# EAGLE board AU_MacroPad with Encoder - 8 Panel (EAGLE 9.6.2), part 3 of 5 (continued)
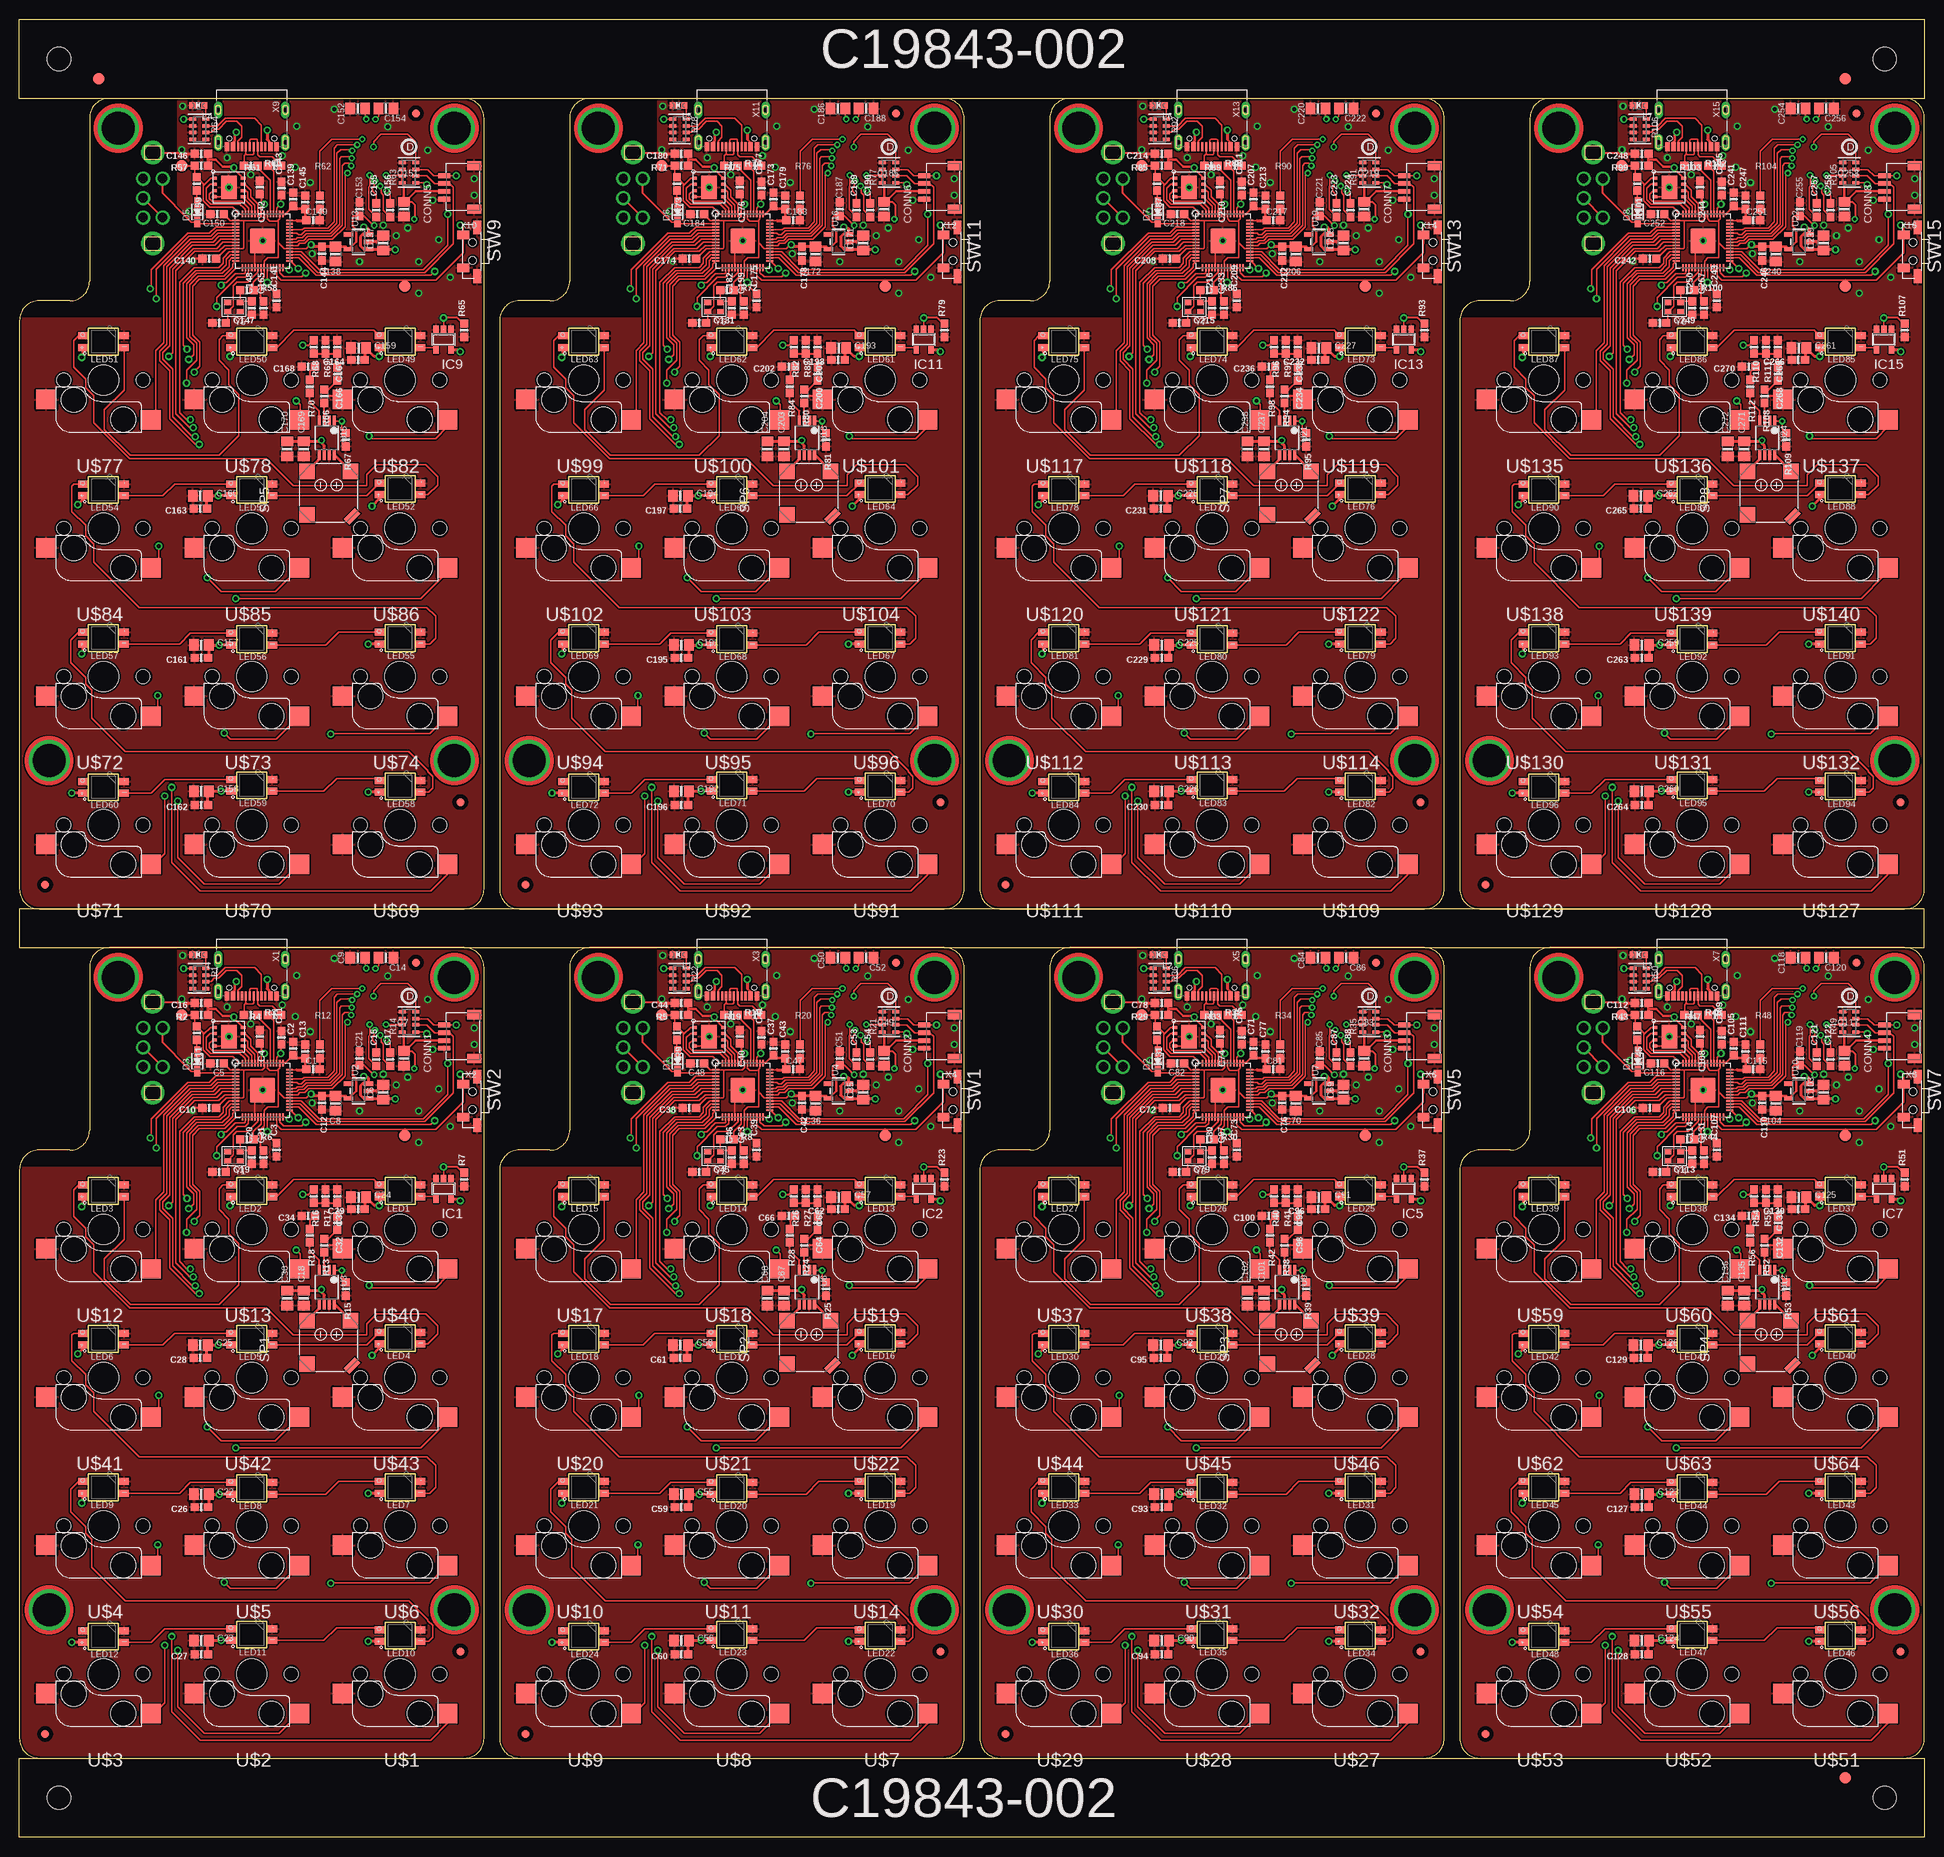
[diagram p0: board, top side]
## Tracks (layer width: path | path; a pad name or v marks a point on that pad's centre or on a via) (continued)
  Bottom 0.203: v201.86,89.86 202.13,90.13 206.16,86.11 217.96,86.11 219.61,84.45 219.61,80.31 224.83,75.09 224.83,72.35 226.26,70.91 v229.99,70.91
GP40  (via drill 0.5)
  Top 0.203: IC8.4 212.84,97.39 210.41,97.39 209.62,96.61 206.85,96.61 202.62,92.38 v202.62,88.59 | v220.63,75.44 221.14,74.93 221.14,72.39 221,72.52 U$60.1
  Bottom 0.203: v202.62,88.59 209.96,81.25 209.96,80.78 211.99,78.75 211.99,77.6 214.15,75.44 v220.63,75.44
GP41
  Top 0.203: IC8.5 210.56,97.01 209.78,96.23 207.01,96.23 203.61,92.83 203.61,82.93 202.59,81.91 202.59,73.67 U$59.1
GP42  (via drill 0.5)
  Top 0.203: IC8.6 210.7,96.61 209.94,95.85 207.17,95.85 203.99,92.67 203.99,82.71 203.1,81.82 203.1,80.61 204.37,79.34 204.37,73.13 207.65,69.85 v208.16,69.85 | v212.88,50.04 236.63,50.04 239.55,52.96 239.55,53.72 239.81,53.97 U$64.1
  Bottom 0.203: v208.16,69.85 208.16,54.89 212.88,50.17 v212.88,50.04
GP43  (via drill 0.5)
  Top 0.203: IC8.7 210.96,96.21 210.18,95.43 207.29,95.43 204.37,92.52 204.37,82.55 203.48,81.66 203.48,80.77 204.75,79.5 204.75,73.41 207.29,70.87 v207.68,70.87 | v209.2,52.7 210.98,50.93 217.96,50.93 U$63.1
  Bottom 0.203: v207.68,70.87 207.43,70.62 207.43,54.47 v209.2,52.7
GP44  (via drill 0.5)
  Top 0.203: IC8.8 211.21,95.81 210.43,95.03 207.43,95.03 204.75,92.36 204.75,81.66 v204.25,81.15 | v202.98,56.77 202.98,55 U$62.1
  Bottom 0.203: v202.98,56.77 204.37,58.17 204.37,81.03 v204.25,81.15
GP45  (via drill 0.5)
  Top 0.203: IC8.9 211.46,95.41 210.7,94.65 207.58,94.65 205.13,92.2 205.13,73.8 206.93,72.01 v207.42,72.01 | v225.07,32.64 225.09,32.66 237.79,32.66 U$56.1
  Bottom 0.203: v207.42,72.01 206.91,71.5 206.91,38.35 212.63,32.64 v225.07,32.64
GP46  (via drill 0.5)
  Top 0.203: U$51.1 240.05,14.6 237.9,12.45 208.31,12.45 204.63,16.13 v204.63,25.78 | v206.82,80.77 207.45,81.41 207.45,82.68 206.56,83.57 206.56,90.52 207.87,91.82 211.1,91.82 211.99,92.71 211.99,93.48 212.33,93.81 IC8.13
  Bottom 0.203: v204.63,25.78 205.26,26.42 205.26,79.28 206.76,80.77 v206.82,80.77
GP47  (via drill 0.5)
  Top 0.203: IC8.14 212.48,93.03 212.48,92.63 211.29,91.44 208.03,91.44 206.94,90.36 206.94,83.72 207.83,82.83 207.83,80.67 206.53,79.38 v206.53,77.72 | v205.39,24 205.39,16.76 208.82,13.34 218.46,13.34 U$52.1
  Bottom 0.203: v206.53,77.72 206.02,77.22 206.02,24.64 v205.39,24
GP48  (via drill 0.5)
  Top 0.203: IC8.15 212.95,92.56 211.45,91.06 208.18,91.06 207.32,90.2 207.32,83.88 208.21,82.99 208.21,79.91 207.49,79.19 v207.55,79.12 | v203.74,24.64 203.74,17.27 201.83,15.37 201.83,15.75 U$53.1
  Bottom 0.203: v207.55,79.12 206.66,79.12 205.64,78.1 205.64,25.4 204.88,24.64 v203.74,24.64
GP49  (via drill 0.5)
  Top 0.203: IC10.12 27.12,203.35 26.54,202.78 26.54,202.1 25.78,201.34 22.64,201.34 21.02,199.72 21.02,191.75 v21.53,191.25 | v17.78,146.73 17.78,144.96 U$72.1
  Bottom 0.203: v21.53,191.25 21.53,190.87 19.75,189.09 19.75,148.7 v17.78,146.73
GP50  (via drill 0.5)
  Top 0.203: IC10.11 26.98,203.75 26.16,202.93 26.16,202.26 25.62,201.72 22.48,201.72 20.57,199.82 20.57,183.1 21.51,182.17 v21.97,182.17 | v26.29,141.91 27.05,141.15 33.01,141.15 U$73.1
  Bottom 0.203: v26.29,141.91 21.46,146.73 21.46,181.66 v21.97,182.17
GP51  (via drill 0.5)
  Top 0.203: IC10.3 27.77,206.93 25.2,206.93 24.4,206.13 21.62,206.13 16.92,201.43 16.92,199.12 v16.79,199 | v44.92,180.05 45.21,179.75 53.47,179.75 54.98,181.27 U$82.1
  Bottom 0.203: v16.79,199 17.06,199.27 21.09,195.25 32.89,195.25 34.54,193.6 34.54,189.45 39.76,184.23 39.76,181.49 41.2,180.05 v44.92,180.05
GP52  (via drill 0.5)
  Top 0.203: IC10.4 27.77,206.53 25.34,206.53 24.55,205.75 21.78,205.75 17.55,201.53 v17.55,197.73 | v35.56,184.58 36.07,184.07 36.07,181.53 35.94,181.66 U$78.1
  Bottom 0.203: v17.55,197.73 24.89,190.4 24.89,189.92 26.92,187.9 26.92,186.75 29.08,184.58 v35.56,184.58
GP53
  Top 0.203: IC10.5 25.49,206.15 24.71,205.37 21.94,205.37 18.54,201.97 18.54,192.07 17.53,191.06 17.53,182.81 U$77.1
GP54  (via drill 0.5)
  Top 0.203: IC10.6 25.63,205.75 24.87,204.99 22.1,204.99 18.92,201.82 18.92,191.85 18.03,190.96 18.03,189.75 19.3,188.48 19.3,182.27 22.58,178.99 v23.09,178.99 | v27.81,159.18 51.56,159.18 54.48,162.1 54.48,162.86 54.74,163.12 U$86.1
  Bottom 0.203: v23.09,178.99 23.09,164.03 27.81,159.31 v27.81,159.18
GP55  (via drill 0.5)
  Top 0.203: IC10.7 25.89,205.35 25.11,204.57 22.22,204.57 19.3,201.66 19.3,191.69 18.41,190.8 18.41,189.91 19.68,188.64 19.68,182.55 22.23,180.01 v22.61,180.01 | v24.13,161.85 25.91,160.07 32.89,160.07 U$85.1
  Bottom 0.203: v22.61,180.01 22.36,179.76 22.36,163.62 v24.13,161.85
GP56  (via drill 0.5)
  Top 0.203: IC10.8 26.14,204.95 25.36,204.17 22.36,204.17 19.68,201.5 19.68,190.8 v19.18,190.29 | v17.91,165.91 17.91,164.14 U$84.1
  Bottom 0.203: v17.91,165.91 19.3,167.31 19.3,190.17 v19.18,190.29
GP57  (via drill 0.5)
  Top 0.203: IC10.9 26.39,204.55 25.63,203.79 22.51,203.79 20.07,201.34 20.07,182.94 21.86,181.15 v22.35,181.15 | v40.01,141.78 40.02,141.8 52.72,141.8 U$74.1
  Bottom 0.203: v22.35,181.15 21.84,180.64 21.84,147.5 27.56,141.78 v40.01,141.78
GP58  (via drill 0.5)
  Top 0.203: U$69.1 54.98,123.74 52.83,121.59 23.24,121.59 19.56,125.27 v19.56,134.92 | v21.75,189.91 22.38,190.55 22.38,191.82 21.49,192.71 21.49,199.66 22.8,200.96 26.04,200.96 26.92,201.85 26.92,202.62 27.26,202.95 IC10.13
  Bottom 0.203: v19.56,134.92 20.19,135.56 20.19,188.42 21.69,189.91 v21.75,189.91
GP59  (via drill 0.5)
  Top 0.203: IC10.14 27.41,202.17 27.41,201.77 26.22,200.58 22.96,200.58 21.87,199.5 21.87,192.87 22.76,191.98 22.76,189.82 21.46,188.52 v21.46,186.87 | v20.32,133.14 20.32,125.91 23.75,122.48 33.4,122.48 U$70.1
  Bottom 0.203: v21.46,186.87 20.95,186.36 20.95,133.78 v20.32,133.14
GP60  (via drill 0.5)
  Top 0.203: IC10.15 27.88,201.7 26.38,200.2 23.11,200.2 22.25,199.34 22.25,193.02 23.14,192.13 23.14,189.05 22.42,188.33 v22.48,188.26 | v18.67,133.78 18.67,126.41 16.76,124.51 16.76,124.89 U$71.1
  Bottom 0.203: v22.48,188.26 21.59,188.26 20.57,187.25 20.57,134.54 19.81,133.78 v18.67,133.78
GP61  (via drill 0.5)
  Top 0.203: IC12.12 88.81,203.35 88.23,202.78 88.23,202.1 87.47,201.34 84.33,201.34 82.71,199.72 82.71,191.75 v83.22,191.25 | v79.47,146.73 79.47,144.96 U$94.1
  Bottom 0.203: v83.22,191.25 83.22,190.87 81.44,189.09 81.44,148.7 v79.47,146.73
GP62  (via drill 0.5)
  Top 0.203: IC12.11 88.67,203.75 87.85,202.93 87.85,202.26 87.31,201.72 84.17,201.72 82.26,199.82 82.26,183.1 83.2,182.17 v83.66,182.17 | v87.98,141.91 88.74,141.15 94.7,141.15 U$95.1
  Bottom 0.203: v87.98,141.91 83.15,146.73 83.15,181.66 v83.66,182.17
GP63  (via drill 0.5)
  Top 0.203: IC12.3 89.46,206.93 86.89,206.93 86.09,206.13 83.31,206.13 78.61,201.43 78.61,199.12 v78.48,199 | v106.61,180.05 106.9,179.75 115.16,179.75 116.67,181.27 U$101.1
  Bottom 0.203: v78.48,199 78.75,199.27 82.78,195.25 94.58,195.25 96.23,193.6 96.23,189.45 101.45,184.23 101.45,181.49 102.89,180.05 v106.61,180.05
GP64  (via drill 0.5)
  Top 0.203: IC12.4 89.46,206.53 87.03,206.53 86.24,205.75 83.47,205.75 79.24,201.53 v79.24,197.73 | v97.25,184.58 97.76,184.07 97.76,181.53 97.62,181.66 U$100.1
  Bottom 0.203: v79.24,197.73 86.58,190.4 86.58,189.92 88.61,187.9 88.61,186.75 90.77,184.58 v97.25,184.58
GP65
  Top 0.203: IC12.5 87.18,206.15 86.4,205.37 83.63,205.37 80.23,201.97 80.23,192.07 79.22,191.06 79.22,182.81 U$99.1
GP66  (via drill 0.5)
  Top 0.203: IC12.6 87.32,205.75 86.56,204.99 83.79,204.99 80.61,201.82 80.61,191.85 79.72,190.96 79.72,189.75 80.99,188.48 80.99,182.27 84.27,178.99 v84.78,178.99 | v89.5,159.18 113.25,159.18 116.17,162.1 116.17,162.86 116.43,163.12 U$104.1
  Bottom 0.203: v84.78,178.99 84.78,164.03 89.5,159.31 v89.5,159.18
GP67  (via drill 0.5)
  Top 0.203: IC12.7 87.58,205.35 86.8,204.57 83.91,204.57 80.99,201.66 80.99,191.69 80.1,190.8 80.1,189.91 81.37,188.64 81.37,182.55 83.91,180.01 v84.3,180.01 | v85.82,161.85 87.6,160.07 94.58,160.07 U$103.1
  Bottom 0.203: v84.3,180.01 84.05,179.76 84.05,163.62 v85.82,161.85
GP68  (via drill 0.5)
  Top 0.203: IC12.8 87.83,204.95 87.05,204.17 84.05,204.17 81.37,201.5 81.37,190.8 v80.87,190.29 | v79.6,165.91 79.6,164.14 U$102.1
  Bottom 0.203: v79.6,165.91 80.99,167.31 80.99,190.17 v80.87,190.29
GP69  (via drill 0.5)
  Top 0.203: IC12.9 88.08,204.55 87.32,203.79 84.2,203.79 81.75,201.34 81.75,182.94 83.55,181.15 v84.04,181.15 | v101.69,141.78 101.71,141.8 114.41,141.8 U$96.1
  Bottom 0.203: v84.04,181.15 83.53,180.64 83.53,147.5 89.25,141.78 v101.69,141.78
GP70  (via drill 0.5)
  Top 0.203: U$91.1 116.67,123.74 114.52,121.59 84.93,121.59 81.25,125.27 v81.25,134.92 | v83.44,189.91 84.07,190.55 84.07,191.82 83.18,192.71 83.18,199.66 84.49,200.96 87.72,200.96 88.61,201.85 88.61,202.62 88.95,202.95 IC12.13
  Bottom 0.203: v81.25,134.92 81.88,135.56 81.88,188.42 83.38,189.91 v83.44,189.91
GP71  (via drill 0.5)
  Top 0.203: IC12.14 89.1,202.17 89.1,201.77 87.91,200.58 84.64,200.58 83.56,199.5 83.56,192.87 84.45,191.98 84.45,189.82 83.15,188.52 v83.15,186.87 | v82.01,133.14 82.01,125.91 85.44,122.48 95.08,122.48 U$92.1
  Bottom 0.203: v83.15,186.87 82.64,186.36 82.64,133.78 v82.01,133.14
GP72  (via drill 0.5)
  Top 0.203: IC12.15 89.57,201.7 88.07,200.2 84.8,200.2 83.94,199.34 83.94,193.02 84.83,192.13 84.83,189.05 84.1,188.33 v84.17,188.26 | v80.36,133.78 80.36,126.41 78.45,124.51 78.45,124.89 U$93.1
  Bottom 0.203: v84.17,188.26 83.28,188.26 82.26,187.25 82.26,134.54 81.5,133.78 v80.36,133.78
GP73  (via drill 0.5)
  Top 0.203: IC14.12 150.5,203.35 149.92,202.78 149.92,202.1 149.16,201.34 146.02,201.34 144.4,199.72 144.4,191.75 v144.91,191.25 | v141.16,146.73 141.16,144.96 U$112.1
  Bottom 0.203: v144.91,191.25 144.91,190.87 143.13,189.09 143.13,148.7 v141.16,146.73
GP74  (via drill 0.5)
  Top 0.203: IC14.11 150.36,203.75 149.54,202.93 149.54,202.26 149,201.72 145.86,201.72 143.95,199.82 143.95,183.1 144.89,182.17 v145.35,182.17 | v149.67,141.91 150.43,141.15 156.39,141.15 U$113.1
  Bottom 0.203: v149.67,141.91 144.84,146.73 144.84,181.66 v145.35,182.17
GP75  (via drill 0.5)
  Top 0.203: IC14.3 151.15,206.93 148.58,206.93 147.78,206.13 145,206.13 140.3,201.43 140.3,199.12 v140.17,199 | v168.3,180.05 168.59,179.75 176.85,179.75 178.37,181.27 U$119.1
  Bottom 0.203: v140.17,199 140.44,199.27 144.47,195.25 156.27,195.25 157.92,193.6 157.92,189.45 163.14,184.23 163.14,181.49 164.58,180.05 v168.3,180.05
GP76  (via drill 0.5)
  Top 0.203: IC14.4 151.15,206.53 148.72,206.53 147.94,205.75 145.16,205.75 140.94,201.53 v140.94,197.73 | v158.94,184.58 159.45,184.07 159.45,181.53 159.31,181.66 U$118.1
  Bottom 0.203: v140.94,197.73 148.27,190.4 148.27,189.92 150.3,187.9 150.3,186.75 152.46,184.58 v158.94,184.58
GP77
  Top 0.203: IC14.5 148.88,206.15 148.09,205.37 145.32,205.37 141.92,201.97 141.92,192.07 140.91,191.06 140.91,182.81 U$117.1
GP78  (via drill 0.5)
  Top 0.203: IC14.6 149.01,205.75 148.25,204.99 145.48,204.99 142.3,201.82 142.3,191.85 141.41,190.96 141.41,189.75 142.69,188.48 142.69,182.27 145.97,178.99 v146.47,178.99 | v151.19,159.18 174.94,159.18 177.86,162.1 177.86,162.86 178.12,163.12 U$122.1
  Bottom 0.203: v146.47,178.99 146.47,164.03 151.19,159.31 v151.19,159.18
GP79  (via drill 0.5)
  Top 0.203: IC14.7 149.27,205.35 148.49,204.57 145.6,204.57 142.69,201.66 142.69,191.69 141.8,190.8 141.8,189.91 143.06,188.64 143.06,182.55 145.61,180.01 v145.99,180.01 | v147.51,161.85 149.29,160.07 156.27,160.07 U$121.1
  Bottom 0.203: v145.99,180.01 145.74,179.76 145.74,163.62 v147.51,161.85
GP80  (via drill 0.5)
  Top 0.203: IC14.8 149.52,204.95 148.74,204.17 145.74,204.17 143.06,201.5 143.06,190.8 v142.56,190.29 | v141.29,165.91 141.29,164.14 U$120.1
  Bottom 0.203: v141.29,165.91 142.69,167.31 142.69,190.17 v142.56,190.29
GP81  (via drill 0.5)
  Top 0.203: IC14.9 149.78,204.55 149.01,203.79 145.89,203.79 143.45,201.34 143.45,182.94 145.24,181.15 v145.73,181.15 | v163.39,141.78 163.4,141.8 176.1,141.8 U$114.1
  Bottom 0.203: v145.73,181.15 145.22,180.64 145.22,147.5 150.94,141.78 v163.39,141.78
GP82  (via drill 0.5)
  Top 0.203: U$109.1 178.37,123.74 176.21,121.59 146.62,121.59 142.94,125.27 v142.94,134.92 | v145.13,189.91 145.76,190.55 145.76,191.82 144.87,192.71 144.87,199.66 146.18,200.96 149.42,200.96 150.3,201.85 150.3,202.62 150.64,202.95 IC14.13
  Bottom 0.203: v142.94,134.92 143.57,135.56 143.57,188.42 145.07,189.91 v145.13,189.91
GP83  (via drill 0.5)
  Top 0.203: IC14.14 150.79,202.17 150.79,201.77 149.6,200.58 146.34,200.58 145.25,199.5 145.25,192.87 146.14,191.98 146.14,189.82 144.84,188.52 v144.84,186.87 | v143.7,133.14 143.7,125.91 147.13,122.48 156.78,122.48 U$110.1
  Bottom 0.203: v144.84,186.87 144.34,186.36 144.34,133.78 v143.7,133.14
GP84  (via drill 0.5)
  Top 0.203: IC14.15 151.26,201.7 149.76,200.2 146.49,200.2 145.63,199.34 145.63,193.02 146.52,192.13 146.52,189.05 145.8,188.33 v145.86,188.26 | v142.05,133.78 142.05,126.41 140.14,124.51 140.14,124.89 U$111.1
  Bottom 0.203: v145.86,188.26 144.97,188.26 143.95,187.25 143.95,134.54 143.19,133.78 v142.05,133.78
GP85  (via drill 0.5)
  Top 0.203: IC16.12 212.19,203.35 211.61,202.78 211.61,202.1 210.85,201.34 207.71,201.34 206.09,199.72 206.09,191.75 v206.6,191.25 | v202.85,146.73 202.85,144.96 U$130.1
  Bottom 0.203: v206.6,191.25 206.6,190.87 204.82,189.09 204.82,148.7 v202.85,146.73
GP86  (via drill 0.5)
  Top 0.203: IC16.11 212.05,203.75 211.23,202.93 211.23,202.26 210.69,201.72 207.55,201.72 205.64,199.82 205.64,183.1 206.58,182.17 v207.04,182.17 | v211.36,141.91 212.12,141.15 218.08,141.15 U$131.1
  Bottom 0.203: v211.36,141.91 206.53,146.73 206.53,181.66 v207.04,182.17
GP87  (via drill 0.5)
  Top 0.203: IC16.3 212.84,206.93 210.27,206.93 209.47,206.13 206.69,206.13 201.99,201.43 201.99,199.12 v201.86,199 | v229.99,180.05 230.28,179.75 238.54,179.75 240.05,181.27 U$137.1
  Bottom 0.203: v201.86,199 202.13,199.27 206.16,195.25 217.96,195.25 219.61,193.6 219.61,189.45 224.83,184.23 224.83,181.49 226.26,180.05 v229.99,180.05
GP88  (via drill 0.5)
  Top 0.203: IC16.4 212.84,206.53 210.41,206.53 209.62,205.75 206.85,205.75 202.62,201.53 v202.62,197.73 | v220.63,184.58 221.14,184.07 221.14,181.53 221,181.66 U$136.1
  Bottom 0.203: v202.62,197.73 209.96,190.4 209.96,189.92 211.99,187.9 211.99,186.75 214.15,184.58 v220.63,184.58
GP89
  Top 0.203: IC16.5 210.56,206.15 209.78,205.37 207.01,205.37 203.61,201.97 203.61,192.07 202.59,191.06 202.59,182.81 U$135.1
GP90  (via drill 0.5)
  Top 0.203: IC16.6 210.7,205.75 209.94,204.99 207.17,204.99 203.99,201.82 203.99,191.85 203.1,190.96 203.1,189.75 204.37,188.48 204.37,182.27 207.65,178.99 v208.16,178.99 | v212.88,159.18 236.63,159.18 239.55,162.1 239.55,162.86 239.81,163.12 U$140.1
  Bottom 0.203: v208.16,178.99 208.16,164.03 212.88,159.31 v212.88,159.18
GP91  (via drill 0.5)
  Top 0.203: IC16.7 210.96,205.35 210.18,204.57 207.29,204.57 204.37,201.66 204.37,191.69 203.48,190.8 203.48,189.91 204.75,188.64 204.75,182.55 207.29,180.01 v207.68,180.01 | v209.2,161.85 210.98,160.07 217.96,160.07 U$139.1
  Bottom 0.203: v207.68,180.01 207.43,179.76 207.43,163.62 v209.2,161.85
GP92  (via drill 0.5)
  Top 0.203: IC16.8 211.21,204.95 210.43,204.17 207.43,204.17 204.75,201.5 204.75,190.8 v204.25,190.29 | v202.98,165.91 202.98,164.14 U$138.1
  Bottom 0.203: v202.98,165.91 204.37,167.31 204.37,190.17 v204.25,190.29
GP93  (via drill 0.5)
  Top 0.203: IC16.9 211.46,204.55 210.7,203.79 207.58,203.79 205.13,201.34 205.13,182.94 206.93,181.15 v207.42,181.15 | v225.07,141.78 225.09,141.8 237.79,141.8 U$132.1
  Bottom 0.203: v207.42,181.15 206.91,180.64 206.91,147.5 212.63,141.78 v225.07,141.78
GP94  (via drill 0.5)
  Top 0.203: U$127.1 240.05,123.74 237.9,121.59 208.31,121.59 204.63,125.27 v204.63,134.92 | v206.82,189.91 207.45,190.55 207.45,191.82 206.56,192.71 206.56,199.66 207.87,200.96 211.1,200.96 211.99,201.85 211.99,202.62 212.33,202.95 IC16.13
  Bottom 0.203: v204.63,134.92 205.26,135.56 205.26,188.42 206.76,189.91 v206.82,189.91
GP95  (via drill 0.5)
  Top 0.203: IC16.14 212.48,202.17 212.48,201.77 211.29,200.58 208.03,200.58 206.94,199.5 206.94,192.87 207.83,191.98 207.83,189.82 206.53,188.52 v206.53,186.87 | v205.39,133.14 205.39,125.91 208.82,122.48 218.46,122.48 U$128.1
  Bottom 0.203: v206.53,186.87 206.02,186.36 206.02,133.78 v205.39,133.14
GP96  (via drill 0.5)
  Top 0.203: IC16.15 212.95,201.7 211.45,200.2 208.18,200.2 207.32,199.34 207.32,193.02 208.21,192.13 208.21,189.05 207.49,188.33 v207.55,188.26 | v203.74,133.78 203.74,126.41 201.83,124.51 201.83,124.89 U$129.1
  Bottom 0.203: v207.55,188.26 206.66,188.26 205.64,187.25 205.64,134.54 204.88,133.78 v203.74,133.78
IN+
  Top 0.254: U3.3 39.16,75.17 R13.2
IN+1
  Top 0.254: U6.3 100.85,75.17 R24.2
IN+2
  Top 0.254: U9.3 162.54,75.17 R38.2
IN+3
  Top 0.254: U12.3 224.23,75.17 R52.2
IN+4
  Top 0.254: U15.3 39.16,184.31 R66.2
IN+5
  Top 0.254: U18.3 100.85,184.31 R80.2
IN+6
  Top 0.254: U21.3 162.54,184.31 R94.2
IN+7
  Top 0.254: U24.3 224.23,184.31 R108.2
IN-
  Top 0.254: U3.4 38.51,74.12 37.29,75.35 R18.2
IN-1
  Top 0.254: U6.4 100.2,74.12 98.98,75.35 R28.2
IN-2
  Top 0.254: U9.4 161.89,74.12 160.67,75.35 R42.2
IN-3
  Top 0.254: U12.4 223.58,74.12 222.36,75.35 R56.2
IN-4
  Top 0.254: U15.4 38.51,183.27 37.29,184.49 R70.2
IN-5
  Top 0.254: U18.4 100.2,183.27 98.98,184.49 R84.2
IN-6
  Top 0.254: U21.4 161.89,183.27 160.67,184.49 R98.2
IN-7
  Top 0.254: U24.4 223.58,183.27 222.36,184.49 R112.2
LED  (via drill 0.5)
  Top 0.203: IC3.16 29.04,91.91 28.9,91.77 27.74,91.77 26.6,90.62 26.22,90.62 v25.9,90.31 | v21.08,111.63 21.11,111.66 R1.1
  Bottom 0.203: v25.9,90.31 25.9,102.5 22.1,106.3 22.1,110.62 v21.08,111.63
LED1  (via drill 0.5)
  Top 0.203: IC4.16 90.73,91.91 90.59,91.77 89.43,91.77 88.29,90.62 87.91,90.62 v87.59,90.31 | v82.77,111.63 82.8,111.66 R22.1
  Bottom 0.203: v87.59,90.31 87.59,102.5 83.79,106.3 83.79,110.62 v82.77,111.63
LED2  (via drill 0.5)
  Top 0.203: IC6.16 152.42,91.91 152.28,91.77 151.12,91.77 149.98,90.62 149.6,90.62 v149.28,90.31 | v144.46,111.63 144.49,111.66 R36.1
  Bottom 0.203: v149.28,90.31 149.28,102.5 145.48,106.3 145.48,110.62 v144.46,111.63
LED3  (via drill 0.5)
  Top 0.203: IC8.16 214.11,91.91 213.97,91.77 212.81,91.77 211.67,90.62 211.29,90.62 v210.97,90.31 | v206.15,111.63 206.18,111.66 R50.1
  Bottom 0.203: v210.97,90.31 210.97,102.5 207.17,106.3 207.17,110.62 v206.15,111.63
LED4  (via drill 0.5)
  Top 0.203: IC10.16 29.04,201.05 28.9,200.91 27.74,200.91 26.6,199.76 26.22,199.76 v25.9,199.45 | v21.08,220.77 21.11,220.8 R64.1
  Bottom 0.203: v25.9,199.45 25.9,211.64 22.1,215.44 22.1,219.76 v21.08,220.77
LED5  (via drill 0.5)
  Top 0.203: IC12.16 90.73,201.05 90.59,200.91 89.43,200.91 88.29,199.76 87.91,199.76 v87.59,199.45 | v82.77,220.77 82.8,220.8 R78.1
  Bottom 0.203: v87.59,199.45 87.59,211.64 83.79,215.44 83.79,219.76 v82.77,220.77
LED6  (via drill 0.5)
  Top 0.203: IC14.16 152.42,201.05 152.28,200.91 151.12,200.91 149.98,199.76 149.6,199.76 v149.28,199.45 | v144.46,220.77 144.49,220.8 R92.1
  Bottom 0.203: v149.28,199.45 149.28,211.64 145.48,215.44 145.48,219.76 v144.46,220.77
LED7  (via drill 0.5)
  Top 0.203: IC16.16 214.11,201.05 213.97,200.91 212.81,200.91 211.67,199.76 211.29,199.76 v210.97,199.45 | v206.15,220.77 206.18,220.8 R106.1
  Bottom 0.203: v210.97,199.45 210.97,211.64 207.17,215.44 207.17,219.76 v206.15,220.77
MOSI  (via drill 0.39)
  Top 0.178: IC3.39 36.34,97.41 36.58,97.65 39.63,97.65 40.42,98.44 40.42,107.91 40.85,108.34 v43.38,108.34
  Bottom 0.178: X2.12 43.55,109.53 43.39,109.37 v43.39,108.35 v43.38,108.34
MOSI1  (via drill 0.39)
  Top 0.178: IC4.39 98.03,97.41 98.27,97.65 101.32,97.65 102.11,98.44 102.11,107.91 102.54,108.34 v105.07,108.34
  Bottom 0.178: X4.12 105.24,109.53 105.08,109.37 v105.08,108.35 v105.07,108.34
MOSI2  (via drill 0.39)
  Top 0.178: IC6.39 159.72,97.41 159.96,97.65 163.01,97.65 163.8,98.44 163.8,107.91 164.23,108.34 v166.76,108.34
  Bottom 0.178: X6.12 166.93,109.53 166.77,109.37 v166.77,108.35 v166.76,108.34
MOSI3  (via drill 0.39)
  Top 0.178: IC8.39 221.41,97.41 221.65,97.65 224.7,97.65 225.49,98.44 225.49,107.91 225.92,108.34 v228.45,108.34
  Bottom 0.178: X8.12 228.62,109.53 228.46,109.37 v228.46,108.35 v228.45,108.34
MOSI4  (via drill 0.39)
  Top 0.178: IC10.39 36.34,206.55 36.58,206.79 39.63,206.79 40.42,207.58 40.42,217.05 40.85,217.48 v43.38,217.48
  Bottom 0.178: X10.12 43.55,218.67 43.39,218.51 v43.39,217.49 v43.38,217.48
MOSI5  (via drill 0.39)
  Top 0.178: IC12.39 98.03,206.55 98.27,206.79 101.32,206.79 102.11,207.58 102.11,217.05 102.54,217.48 v105.07,217.48
  Bottom 0.178: X12.12 105.24,218.67 105.08,218.51 v105.08,217.49 v105.07,217.48
MOSI6  (via drill 0.39)
  Top 0.178: IC14.39 159.72,206.55 159.96,206.79 163.01,206.79 163.8,207.58 163.8,217.05 164.23,217.48 v166.76,217.48
  Bottom 0.178: X14.12 166.93,218.67 166.77,218.51 v166.77,217.49 v166.76,217.48
MOSI7  (via drill 0.39)
  Top 0.178: IC16.39 221.41,206.55 221.65,206.79 224.7,206.79 225.49,207.58 225.49,217.05 225.92,217.48 v228.45,217.48
  Bottom 0.178: X16.12 228.62,218.67 228.46,218.51 v228.46,217.49 v228.45,217.48
N$1
  Top 0.203: X1.B6 29.09,107.2 | R3.1 28.87,106.97 29.09,107.2 | 29.09,107.2 29.23,107.06 29.97,107.06 30.09,107.18 X1.A6
N$2
  Top 0.203: L.A 23.96,113.18 R1.8
N$3
  Top 0.203: R4.1 32.47,106.81 30.85,106.81 30.59,107.06 X1.B7 30.55,108.13 30.55,109.02 30.48,109.09 29.72,109.09 29.56,108.94 29.56,108.12 X1.A7
N$4
  Top 0.203: R11.2 22.78,101.04 D3.A
N$5
  Top 0.203: C19.2 26.73,85.24 Y1.3 27.5,87.64 27.5,90.23 27.94,90.68 29.34,90.68 30.64,91.98 IC3.20
N$6
  Top 0.203: R6.1 28.36,88.23 C20.2 28.48,88.23 Y1.1
N$7
  Top 0.203: IC3.21 31.04,91.66 30.06,90.68 R6.2
N$8
  Top 0.203: L1.A 85.65,113.18 R22.8
N$9
  Top 0.203: C45.2 88.42,85.24 Y2.3 89.19,87.64 89.19,90.23 89.63,90.68 91.03,90.68 92.33,91.98 IC4.20
N$10
  Top 0.203: LED2.4-DIN 33.03,82.31 35.23,84.51 45.55,84.51 LED1.2-DOUT
N$11
  Top 0.203: LED3.4-DIN 13.45,76.82 10.92,74.3 10.92,71.75 14.22,68.45 25.65,68.45 28.19,70.99 28.19,76.24 26.9,77.53 26.9,79.39 25.65,80.64 25.65,83.31 26.15,83.81 LED2.2-DOUT
N$12
  Top 0.203: LED4.2-DOUT 44.62,63.26 LED5.4-DIN
N$13
  Top 0.203: LED6.4-DIN 18.43,63.26 19.93,64.76 LED5.2-DOUT
N$14
  Top 0.203: LED8.4-DIN 39.38,44.08 41.01,45.71 LED7.2-DOUT
N$15
  Top 0.203: LED9.4-DIN 20.59,44.21 21.97,45.59 27.18,45.59 LED8.2-DOUT
N$16
  Top 0.203: LED11.4-DIN 39.13,25.29 40.77,26.92 45.98,26.92 LED10.2-DOUT
N$17
  Top 0.203: LED12.4-DIN 16.9,25.03 18.66,26.79 LED11.2-DOUT
N$18
  Top 0.203: LED3.2-DOUT 7.61,83.81 6.99,83.19 6.99,79.76 8.49,78.25 8.49,77.15 9.53,76.11 9.53,72.61 14.14,68 31.71,68 35.18,64.53 44.65,64.53 44.65,65.97 45.91,67.24 52.2,67.24 53.72,65.71 53.72,64.64 52.46,63.39 LED4.4-DIN
N$19
  Top 0.203: LED6.2-DOUT 6.97,64.76 6.73,64.52 6.73,61.21 8.49,59.46 8.49,58.1 9.53,57.06 9.53,54.74 15.37,48.89 52.32,48.89 53.47,47.75 53.47,44.96 52.72,44.21 LED7.4-DIN
N$20
  Top 0.203: LED10.4-DIN 52.59,25.16 53.09,25.65 53.09,27.19 52.48,27.8 52.48,27.91 50.04,30.35 13.59,30.35 9.27,34.67 9.27,38.27 8.49,39.05 8.49,39.9 6.6,41.78 6.6,44.7 7.61,45.71 LED9.2-DOUT
N$21  (via drill 0.39)
  Top 0.178: R12.2 38.61,107.53 40.14,109.07 v44.05,109.07
  Bottom 0.178: v44.05,109.07 X2.13
N$22
  Top 0.203: R8.1 90.05,88.23 C46.2 90.17,88.23 Y2.1
N$23  (via drill 0.39)
  Top 0.178: C17.1 46.76,99.96 46.76,101.9 46.48,102.18 46.48,102.94 v46.37,103.06
  Bottom 0.178: X2.2 38.55,109.23 38.62,109.15 38.62,103.62 39.42,102.83 43.5,102.83 43.73,103.06 v46.37,103.06
N$24  (via drill 0.39)
  Top 0.178: C17.2 47.62,101.88 47.6,101.9 47.6,102 v47.15,102.46
  Bottom 0.178: X2.1 38.05,109.22 38.27,109.01 38.27,103.48 39.35,102.39 46.64,102.39 46.71,102.46 v47.15,102.46
N$25  (via drill 0.39)
  Top 0.178: C15.1 44.9,100.05 44.9,102.94 44.98,103.03 v44.98,104.44
  Bottom 0.178: v44.98,104.44 44.39,103.85 43.51,103.85 43.2,103.54 40.93,103.54 40.62,103.85 39.55,103.85 X2.4
N$26  (via drill 0.39)
  Top 0.178: C15.2 45.83,100.82 45.83,101.9 45.37,102.37 45.37,102.91 45.57,103.12 45.57,103.65 v45.68,103.75
  Bottom 0.178: v45.68,103.75 45.42,103.49 43.66,103.49 43.35,103.18 39.56,103.18 39.05,103.7 X2.3
N$27
  Top 0.203: IC4.21 92.73,91.66 91.75,90.68 R8.2
N$28
  Top 0.254: C32.2 39.67,76.88 R13.1
N$29
  Top 0.254: R16.2 | R16.2 R17.2 C33.2 | C33.2 | C33.2 C32.1
N$30
  Top 0.254: C34.1 37.32,79.18 R18.1
N$31
  Top 0.406: U3.5 38.51,67.97 SP1.-
N$32
  Top 0.406: U3.8 42.54,66.42 SP1.+
N$33
  Top 0.203: R9.2 84.47,101.04 D1.A
N$34
  Top 0.203: X3.B6 90.78,107.2 | R10.1 90.56,106.97 90.78,107.2 | 90.78,107.2 90.92,107.06 91.66,107.06 91.78,107.18 X3.A6
N$35
  Top 0.203: R19.1 94.16,106.81 92.54,106.81 92.28,107.06 X3.B7 92.24,108.13 92.24,109.02 92.17,109.09 91.41,109.09 91.25,108.94 91.25,108.12 X3.A7
N$36
  Top 0.203: LED14.4-DIN 94.72,82.31 96.92,84.51 107.23,84.51 LED13.2-DOUT
N$37
  Top 0.203: LED15.4-DIN 75.13,76.82 72.61,74.3 72.61,71.75 75.91,68.45 87.34,68.45 89.88,70.99 89.88,76.24 88.59,77.53 88.59,79.39 87.34,80.64 87.34,83.31 87.84,83.81 LED14.2-DOUT
N$38
  Top 0.203: LED16.2-DOUT 106.31,63.26 LED17.4-DIN
N$39
  Top 0.203: LED18.4-DIN 80.12,63.26 81.62,64.76 LED17.2-DOUT
N$40